# KiCad board Zynq_SoM.kicad_pcb (continued)
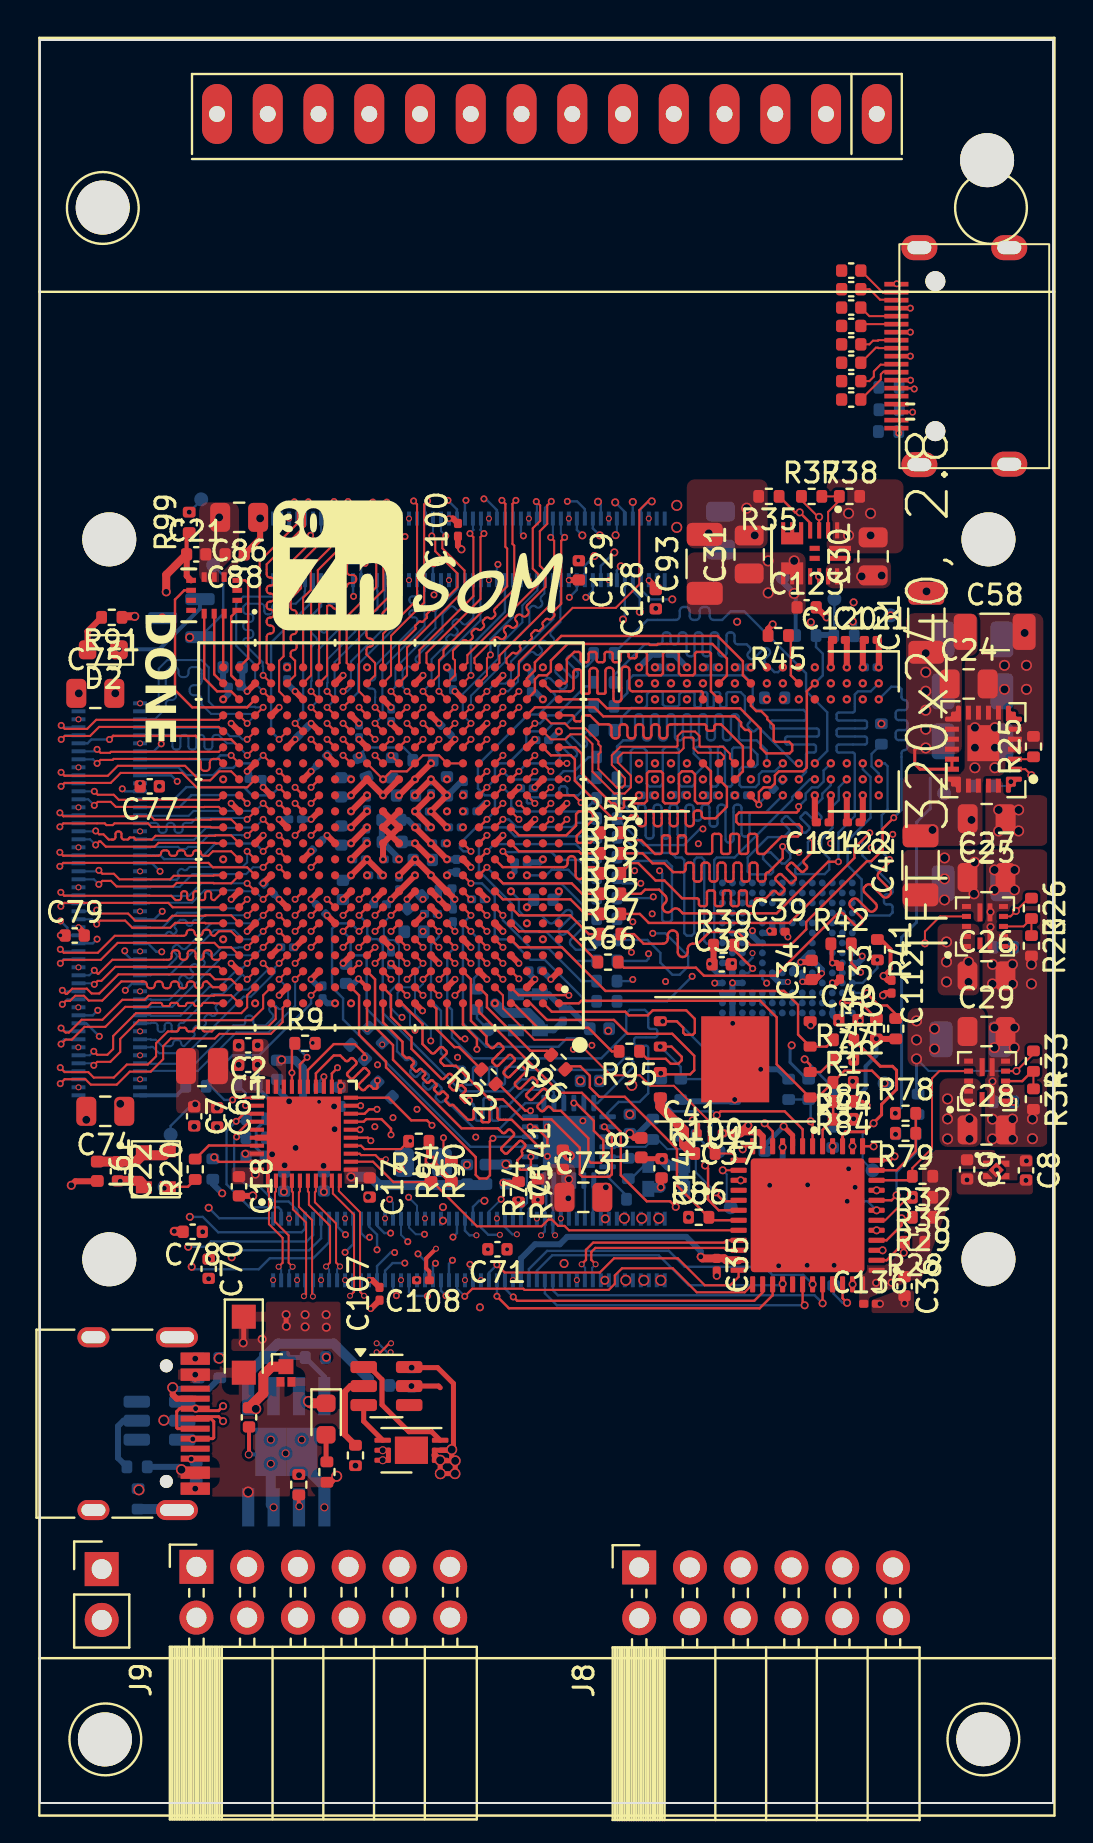
[diagram p0: board, top side]
## Routing (per net, layer and track width the routed paths; a pad name or vN(x,y) marks a point on that pad's centre or on a via; arc(x,y) is an arc through that point) (continued)
USB_ULPI_DATA4: length 17.6
  L1 (Sig) w0.12: v1(24.53,33.81) 24.81,33.81 25.4,33.22 25.4,32.95 25.23,32.78 25,32.78 23.61,34.16 23,34.16 arc(22.93,34.19) 22.9,34.26 22.9,34.68 arc(22.87,34.75) 22.8,34.78 22.6,34.78 arc(22.53,34.75) 22.5,34.68 22.5,34.1 arc(22.48,34.06) 22.44,34.04 22.16,34.04 arc(22.12,34.06) 22.1,34.1 22.1,34.64 arc(22.07,34.71) 22,34.74 21.8,34.74 arc(21.73,34.71) 21.7,34.64 21.7,34.26 arc(21.67,34.19) 21.6,34.16 21.42,34.16 20.68,34.9 arc(20.63,34.92) 20.59,34.9 arc(20.54,34.88) 20.49,34.9 20.3,35.09 arc(20.28,35.13) 20.3,35.18 20.4,35.28 arc(20.42,35.33) 20.4,35.38 20.22,35.56 arc(20.17,35.58) 20.12,35.56 20.02,35.46 arc(19.97,35.44) 19.92,35.46 19.74,35.65 arc(19.72,35.7) 19.74,35.75 19.84,35.85 arc(19.86,35.89) 19.84,35.94 19.65,36.13 arc(19.6,36.15) 19.55,36.13 19.45,36.03 arc(19.41,36.01) 19.36,36.03 19.17,36.22 arc(19.15,36.26) 19.17,36.31 19.27,36.41 arc(19.29,36.46) 19.27,36.51 19.08,36.69 arc(19.04,36.71) 18.99,36.69 18.89,36.6 arc(18.84,36.58) 18.79,36.6 18.61,36.78 arc(18.59,36.83) 18.61,36.88 18.7,36.98 arc(18.72,37.02) 18.7,37.07 18.51,37.26 arc(18.46,37.28) 18.42,37.26 arc(18.37,37.24) 18.32,37.26 18.14,37.44 18.14,38.06 17.17,39.04 U2.A12
USB_ULPI_DATA5: length 16.6
  L1 (Sig) w0.12: U2.B14 15.97,40.39 15.97,38.42 17.32,37.07 17.32,36.79 21.81,32.3 21.81,31.41 21.99,31.23 22.36,31.23 22.52,31.39 22.52,33.09 v1(22.67,33.24)
  L8 (Sig) w0.12: U5.10 22.74,33.31 v1(22.67,33.24)
USB_ULPI_DATA6: length 19
  L1 (Sig) w0.12: v1(15.97,43.59) U2.F13 16.36,43.99
  L8 (Sig) w0.12: v1(15.97,43.59) 15.57,43.99 14.89,43.99 14.62,43.72 14.62,40.79 15.17,40.24 15.17,39.19 21.54,32.81 U5.9
USB_ULPI_DATA7: length 18
  L1 (Sig) w0.12: v1(24.57,32.31) 24.57,31.81 24.42,31.66 24.04,31.66 23.89,31.81 23.89,32.14 24.13,32.38 24.13,32.53 arc(24.1,32.6) 24.13,32.67 24.27,32.81 arc(24.3,32.88) 24.27,32.95 24.13,33.09 arc(24.06,33.12) 23.99,33.09 23.39,32.5 arc(23.32,32.47) 23.25,32.5 23.11,32.64 arc(23.08,32.71) 23.11,32.78 23.7,33.37 arc(23.73,33.44) 23.7,33.51 23.56,33.66 arc(23.49,33.69) 23.42,33.66 23.28,33.52 arc(23.21,33.49) 23.14,33.52 22.92,33.74 21.09,33.74 17.67,37.16 17.67,37.9 16.77,38.8 16.77,41.19 U2.C13
USB_ULPI_DIR: length 25.9
  L1 (Sig) w0.12: U2.E8 v1(20.77,42.79)
  L8 (Sig) w0.12: v1(20.77,42.79) 20.38,42.4 20.38,39.9 20.62,39.66 20.62,38.28 21.66,37.24 28.09,37.24 29.34,38.49 29.34,39.49 29.51,39.66 30.27,39.66 30.44,39.49 30.44,38.81 arc(30.47,38.74) 30.54,38.71 30.79,38.71 arc(30.86,38.68) 30.89,38.6 30.89,38.39 arc(30.86,38.32) 30.79,38.29 29.84,38.29 arc(29.77,38.26) 29.74,38.18 29.74,37.97 arc(29.77,37.9) 29.84,37.87 30.33,37.87 arc(30.41,37.84) 30.44,37.76 30.44,35.49 30.01,35.06 28.96,35.06 28.41,34.5 U5.19
USB_ULPI_NXT: length 25.2
  L1 (Sig) w0.12: U2.F9 v1(19.97,43.59)
  L8 (Sig) w0.12: U5.18 27.91,35 29.69,36.79 29.69,37.06 29.49,37.26 29.27,37.26 28.66,36.66 24.07,36.66 23.92,36.81 23.37,36.81 arc(23.3,36.78) 23.27,36.71 23.27,36.01 arc(23.24,35.94) 23.17,35.91 22.97,35.91 arc(22.9,35.94) 22.87,36.01 22.87,36.71 arc(22.84,36.78) 22.77,36.81 22.57,36.81 arc(22.5,36.78) 22.47,36.71 22.47,36.01 arc(22.44,35.94) 22.37,35.91 22.17,35.91 arc(22.1,35.94) 22.07,36.01 22.07,36.71 arc(22.04,36.78) 21.97,36.81 21.77,36.81 arc(21.7,36.78) 21.67,36.71 21.67,36.01 arc(21.64,35.94) 21.57,35.91 21.37,35.91 arc(21.3,35.94) 21.27,36.01 21.27,36.71 arc(21.24,36.78) 21.17,36.81 20.74,36.81 20.07,37.49 20.07,39.61 19.57,40.11 19.57,42.92 19.97,43.32 v1(19.97,43.59)
USB_ULPI_STP: length 19.2
  L1 (Sig) w0.12: v1(28.24,33.81) 28.62,33.44 28.62,31.44 28.49,31.31 27.14,31.31 27.02,31.44 27.02,32.76 25.59,34.19 24.17,34.19 23.17,35.19 22.49,35.19 20.82,36.86 20.23,36.86 20.07,37.03 arc(20.03,37.11) 20.07,37.19 20.33,37.46 arc(20.36,37.54) 20.33,37.61 20.17,37.77 arc(20.09,37.81) 20.01,37.77 19.75,37.51 arc(19.67,37.48) 19.59,37.51 19.14,37.95 19.14,38.95 18.11,39.99 U2.A11
USB_VBUS: length 1.9
  L8 (Sig) w0.12: 27.27,29.23 27.27,31.08 U5.2
ZYNQ_BMODE_0: length 10.8
  L1 (Sig) w0.12: v4(33.87,34.39) 34.07,34.59 37.27,34.59 38.17,33.69 U9.19
  L8 (Sig) w0.1: TP10.1 33.62,32.94 33.62,34.14 v4(33.87,34.39)
  L8 (Sig) w0.12: v4(33.87,34.39) 33.67,34.59 31.66,34.59 R6.1
ZYNQ_BMODE_2: length 11
  L1 (Sig) w0.15: U9.15 40.17,33.41 40.32,33.56 41.27,33.56 41.69,33.99 v4(41.72,33.99) 41.72,34.01 42.12,34.41 42.12,34.94 42.87,35.69 42.87,36.64 42.67,36.84 42.05,36.84 R1.1
  L8 (Sig) w0.1: TP9.1 41.17,32.14 41.17,33.44 v4(41.72,33.99)
ZYNQ_PL_DONE: length 17.9
  L1 (Sig) w0.1: U2.T12 v1(16.77,52.39)
  L6 (Sig+Pwr) w0.12: v1(16.77,52.39) 16.41,52.75 14.1,52.75 13.49,52.14 12.18,52.14 11.14,53.18 11.14,54.04 7.49,57.68 v5(7.49,58.29)
  L8 (Sig) w0.12: TP3.1 9.17,61.39 9.17,59.46 Q3.2
ZYNQ_PL_INITB: length 16.8
  L1 (Sig) w0.1: U2.T14 v1(15.17,52.39)
  L4 (Sig+Pwr) w0.1: v1(15.17,52.39) 14.77,52.79 14.77,55.68 8.92,61.53 8.92,61.54 7.47,62.99 v4(7.47,64.55)
  L8 (Sig) w0.12: v4(7.47,64.55) 8.07,65.15 TP2.1
ZYNQ_PL_PROGB: length 59.1
  L1 (Sig) w0.1: U2.T11 v1(17.57,52.39)
  L4 (Sig+Pwr) w0.1: v1(17.57,52.39) 17.77,52.59 20.57,52.59 21.17,51.99 23.47,51.99 23.67,52.19 23.67,53.59 24.57,54.49 25.99,54.49 29.51,58.01 33.83,58.01 v4(34.89,59.07)
  L6 (Sig+Pwr) w0.1: v4(40.67,32.84) 40.24,33.26 40.24,38.41 40.52,38.69 40.52,42.44 43.97,45.89 43.97,50.69 43.37,51.29 43.37,58.59 v4(42.57,59.39) 42.37,59.59 39.77,59.59 39.44,59.92 35.74,59.92 v4(34.89,59.07)
ZYNQ_PS_MIO0: length 17.9
  L1 (Sig) w0.12: U2.G6 v1(22.37,44.39)
  L6 (Sig+Pwr) w0.12: v1(22.37,44.39) 21.97,43.99 21.97,42.58 22.16,42.39 22.53,42.39 22.77,42.15 22.77,40.95 22.37,40.55 22.37,39.64 23.37,38.64 23.37,32.96 22.24,31.84 v4(22.24,30.11)
  L8 (Sig) w0.12: v4(22.24,30.11) 21.97,30.11 21.67,29.81 21.67,29.23
ZYNQ_PS_MIO7/VM0: length 14.1
  L1 (Sig) w0.12: R75.2 23.95,30.09 23.94,30.09 ; U2.D5 v1(23.17,41.99)
  L4 (Sig+Pwr) w0.135: v1(23.94,30.16) 23.87,30.24 23.87,39.79 22.77,40.89 22.77,41.59 v1(23.17,41.99)
  L8 (Sig) w0.12: 23.67,29.23 23.67,29.89 v1(23.94,30.16)
ZYNQ_PS_MIO8\VM1: length 17.2
  L1 (Sig) w0.12: U2.E5 v1(23.17,42.79)
  L4 (Sig+Pwr) w0.12: v1(26.69,37.69) 25.92,36.91 25.92,31.16 v1(24.92,30.16)
  L6 (Sig+Pwr) w0.12: v1(26.69,37.69) 26.69,39.21 25.25,40.66 24.61,40.66 24.36,40.91 24.36,42.11 24.1,42.37 23.77,42.37 23.35,42.79 v1(23.17,42.79)
  L8 (Sig) w0.12: 24.47,29.23 24.47,29.71 v1(24.92,30.16)
ZYNQ_PS_MIO9: length 17.4
  L1 (Sig) w0.12: v1(23.97,41.21) 23.59,41.59 U2.C4
  L4 (Sig+Pwr) w0.135: v2(21.84,28.39) 21.84,29.16 22.34,29.66 24.12,29.66 24.44,29.99 24.44,30.76 24.97,31.29 24.97,40.21 v1(23.97,41.21)
  L8 (Sig) w0.12: 21.27,29.23 21.27,28.62 21.5,28.39 v2(21.84,28.39)
ZYNQ_PS_MIO10: length 28.6
  L1 (Sig) w0.12: U2.G7 v1(21.57,44.39)
  L4 (Sig+Pwr) w0.135: v1(27.62,37.89) 28.81,36.7 28.81,30.48 26.3,27.97 24.34,27.97 v2(23.87,28.44)
  L8 (Sig) w0.12: 23.27,29.23 23.27,28.81 23.64,28.44 v2(23.87,28.44) ; v1(21.57,44.39) 21.17,43.99 21.17,38.99 22.34,37.81 25.94,37.81 26.37,38.24 26.94,38.24 27.29,37.89 v1(27.62,37.89)
ZYNQ_PS_MIO11: length 20.8
  L1 (Sig) w0.12: U2.B4 23.96,40.4 26.46,40.4 v1(26.47,40.39)
  L4 (Sig+Pwr) w0.135: v2(23.02,28.41) 23.42,28.81 26.29,28.81 27.28,29.8 27.28,31.32 27.75,31.79 27.75,35.46 27.54,35.66 27.54,36.79 27.22,37.11 27.22,39.29 26.47,40.04 v1(26.47,40.39)
  L8 (Sig) w0.12: 22.07,29.23 22.07,28.78 22.43,28.41 v2(23.02,28.41)
ZYNQ_PS_MIO12: length 13.6
  L1 (Sig) w0.12: 22.77,41.57 23.15,41.19 v1(23.17,41.19)
  L6 (Sig+Pwr) w0.135: v1(23.17,41.19) 23.17,40.14 24.12,39.19 24.12,31.23 v1(23.08,30.19)
  L8 (Sig) w0.1: 22.47,29.23 22.47,29.58 v1(23.08,30.19)
ZYNQ_PS_MIO13: length 19.5
  L1 (Sig) w0.12: U2.A6 21.97,39.56 26.02,35.51 27.12,35.51 29.07,33.56 29.07,31.39 30.37,30.09 31.54,30.09 v4(31.82,29.81)
  L6 (Sig+Pwr) w0.12: v4(31.82,29.81) 31.82,29.81 33.94,29.81 35.07,30.94 v4(35.07,31.14)
ZYNQ_PS_POR: length 16.9
  L1 (Sig) w0.1: U2.B5 23.17,40.39 23.17,39.74 24.74,38.16 26.79,38.16 28.57,36.39 30.02,36.39 30.54,35.86 31.72,35.86 33.47,34.12 33.47,32.8 R100.2 34.65,32.48 34.96,32.16 U9.25
ZYNQ_PS_SRST: length 30.9
  L1 (Sig) w0.1: R94.2 20.19,32.49 v1(20.19,33.26) ; v4(34.17,31.64) U9.26
  L1 (Sig) w0.12: U2.C9 v1(19.17,41.19)
  L4 (Sig+Pwr) w0.1: v1(19.56,38.11) 19.56,36.83 20.08,36.31 20.08,33.38 v1(20.19,33.26)
  L6 (Sig+Pwr) w0.1: v4(34.17,31.64) 34.07,31.54 33.61,31.54 33.46,31.39 27.84,31.39 27.24,30.79 26.29,30.79 25.1,29.6 21.81,29.6 21.37,30.04 21.37,30.96 20.19,32.14 v1(20.19,33.26)
  L8 (Sig) w0.1: TP5.1 34.37,29.99 34.37,31.44 v4(34.17,31.64) ; v1(19.56,38.11) 19.56,38.67 18.77,39.46 18.77,40.56 19.17,40.96 v1(19.17,41.19)
ZYNQ_TCK: length 18.7
  L1 (Sig) w0.12: U2.G11 v1(17.57,44.39)
  L4 (Sig+Pwr) w0.1: v1(18.45,30.29) 18.87,30.71 18.87,32.18 19.49,32.8 19.49,33.37 19.12,33.74 19.12,34.17 19.36,34.41 19.36,36.35 19.12,36.59 19.12,39.09 18.92,39.29 v1(18.12,39.29)
  L8 (Sig) w0.1: 18.87,29.23 18.87,29.87 v1(18.45,30.29) ; v1(18.12,39.29) 18.02,39.29 17.53,39.78 17.53,40.59 17.97,41.03 17.97,42.9 17.72,43.15 17.46,43.15 17.21,43.4 17.21,44.03 v1(17.57,44.39)
ZYNQ_TDI: length 23.9
  L1 (Sig) w0.12: U2.H13 v1(15.97,45.19)
  L6 (Sig+Pwr) w0.1: v1(15.97,45.19) 15.53,44.75 14.95,44.75 14.74,44.54 14.74,44.25 13.92,43.43 13.92,42.22 13.16,41.46 13.16,40.9 10.42,38.16 10.42,35.58 10.97,35.03 10.97,33.89 13.67,31.19 14.63,31.19 15.03,30.79 17.06,30.79 17.5,30.35 v1(17.5,30.19)
  L8 (Sig) w0.1: 17.67,29.23 17.67,30.02 v1(17.5,30.19)
ZYNQ_TDO: length 25.1
  L1 (Sig) w0.12: U2.G14 v1(15.17,44.39)
  L6 (Sig+Pwr) w0.1: v1(15.17,44.39) 15.17,44.16 14.62,43.61 14.62,40.91 13.5,39.79 12.99,39.79 11.31,38.1 11.31,35.53 15.12,31.72 17,31.72 17.76,30.96 18.66,30.96 18.97,30.65 18.97,29.94 18.65,29.62 18.65,28.31 v1(18.41,28.07)
  L8 (Sig) w0.1: 18.07,29.23 18.07,28.41 v1(18.41,28.07)
ZYNQ_TMS: length 25.6
  L1 (Sig) w0.12: v1(16.77,44.39) U2.G12
  L6 (Sig+Pwr) w0.1: v1(19.24,28.44) 19.62,28.81 19.62,31.16 18.14,32.64 15.08,32.64 13.12,34.6 13.12,35.24 11.65,36.71 11.65,37.39 15.54,41.28 15.54,43.68 15.87,44.01 16.1,44.01 16.48,44.39 v1(16.77,44.39)
  L8 (Sig) w0.1: v1(19.24,28.44) 18.81,28.44 18.47,28.78 18.47,29.23
Net-(D1-A): length 3.5
  L1 (Sig) w0.135: v6(7.77,21.42) 7.77,21.12
  L1 (Sig) w0.3: R106.1 14.55,16.04 v3(14.85,16.34)
  L8 (Sig) w0.3: v3(10.42,15.55) 10.42,15.55 U15.4 ; v3(7.08,16.67) 6.94,16.81 R105.1
Net-(J5-CC1): length 4.2
  L1 (Sig) w0.3: J5.A5 6.84,20.22 6.64,20.42 v3(6.64,20.77)
  L8 (Sig) w0.3: v3(6.64,20.77) 6.71,20.7 8.44,20.7 R102.2
Net-(J5-CC2): length 0.3
  L8 (Sig) w0.15: v4(7.57,17.2) 7.69,17.08 R103.2
Net-(J5-SHIELD): length 2
  L8 (Sig) w0.5: R101.2 6.81,14.7 6.86,14.65
Net-(J6-CEC): length 1.7
  L1 (Sig) w0.1: v1(43.75,70.71) 43.71,70.75 J6.14
  L8 (Sig) w0.1: R112.1 43.08,70.71 v1(43.75,70.71)
Net-(J6-HPD): length 0.3
  L1 (Sig) w0.1: v1(42.98,68.5) 42.86,68.62 J6.19
Net-(J6-UTILITY): length 1.5
  L1 (Sig) w0.1: J6.17 v1(43.67,69.55)
  L8 (Sig) w0.1: v1(43.67,69.55) 43.13,69.55 R113.1
Net-(J7-Pin_2): length 10.8
  L1 (Sig) w0.25: v3(20.78,17.11) 20.78,16.48 v3(20.77,16.47) v3(20.04,16.47) 20.03,16.48 v3(20.03,17.14) 20.06,17.11 v3(20.78,17.11) ; v3(20.78,17.11) 20.61,17.28 v3(20.61,17.67) 20.57,17.64 Q1.1 20.44,17.64 20.69,17.89 20.69,20.98 19.9,21.77 v5(18.6,21.77) 18.57,21.8 U16.6
  L1 (Sig) w0.3: v3(20.03,17.14) 19.78,17.39 Q1.1
Net-(LED1-A): length 1.4
  L1 (Sig) w0.25: R106.2 14.32,17.1 LED1.2
Net-(LED1-K): length 1.5
  L1 (Sig) w0.5: LED1.1 13.53,19.99 v3(13.44,20.08)
  L8 (Sig) w0.5: U15.7 13.23,20.08 v3(13.44,20.08)
Net-(U3-RSET): length 2.2
  L1 (Sig) w0.12: v4(8.72,32.29) 8.95,32.06 10.85,32.06 U3.39
Net-(U4-FB): length 2.4
  L1 (Sig) w0.1: U4.5 49.22,43.83 R26.2 R23.1
Net-(U6-FB): length 2.5
  L1 (Sig) w0.1: R34.1 R33.2
  L1 (Sig) w0.12: R33.2 49.65,36.59 49.16,36.1 U6.5
Net-(U9-VREF+): length 2.8
  L1 (Sig) w0.25: U9.20 37.67,33.39 v4(37.22,33.84)
  L8 (Sig) w0.25: C139.1 36.27,32.89 v4(37.22,33.84)
Net-(U10-FB): length 2.8
  L1 (Sig) w0.1: R37.2 R38.1 40,65.12 39.44,64.56 U10.2
Net-(U12-VP): length 3.3
  L8 (Sig) w0.3: U12.5 4.18,19.12 3.9,18.84 3.9,17.26 R105.2
Net-(U15-CE): length 3.4
  L8 (Sig) w0.25: R110.2 R108.1 14.23,21.32 U15.8
Net-(U15-PROG): length 0.6
  L1 (Sig) w0.2: v6(12.98,14.84) 12.95,14.87 R109.1
Net-(U16-CS): length 4
  L1 (Sig) w0.3: U16.2 15.54,20.85 15.26,20.57 15.26,18.42 R111.2
Net-(U16-OC): length 2.2
  L1 (Sig) w0.25: U16.3 16.2,19.09 Q1.5
Net-(U16-OD): length 6.1
  L1 (Sig) w0.25: U16.1 16.49,21.8 17.12,21.17 17.12,19.91 18.46,18.57 19.6,18.57 Q1.2
Net-(U16-VCC): length 2.7
  L1 (Sig) w0.25: U16.5 19.95,20.85 20.03,20.77
  L8 (Sig) w0.25: C115.2 18.6,20.84 v5(18.59,20.85)
  L8 (Sig) w0.3: R107.1 18.56,20.88 v5(18.59,20.85)
unconnected-(U2C-IO_L19N_T3_VREF_13-PadT6): length 0
unconnected-(U2C-IO_L20N_T3_13-PadU4): length 0
unconnected-(U2C-IO_L20P_T3_13-PadT4): length 0
  L1 (Sig) w0.1: U2.T4 23.57,52.01
unconnected-(U2C-IO_L22N_T3_13-PadU5): length 0
unconnected-(U2D-IO_L13N_T2_MRCC_33-PadW18): length 0
unconnected-(U9-PB7-Pad45): length 0
  L1 (Sig) w0.12: U9.45 39.67,25.94

## Copper pours and planes (outline as drawn; the poured copper is in the pictures)
+1V0 on L1 (Sig): 46.14,52.45 46.14,57.36 46.93,57.36 46.93,59.5 43.34,59.5 43.34,52.45
+1V0 on L8 (Sig): 43.67,49.89 45.97,49.89 45.97,59.19 43.67,59.19
+1V0 on L3 (Pwr): 39.57,46.19 41.47,48.09 45.02,48.09 45.02,57.79 28.97,57.79 23.37,52.89 15.05,52.88 15.05,46.18 23.02,46.19 23.32,46.69 24.67,46.69 24.97,46.19
+1V0 on L6 (Sig+Pwr): 17.07,44.79 20.57,44.79 20.57,51.99 20.07,52.49 18.67,52.49 18.27,52.09 14.37,52.09 13.87,51.59 13.87,45.49 16.37,45.49
+1V8 on L1 (Sig): 43.17,44.56 46.72,44.56 46.72,44.04 47.22,44.04 47.22,47.69 43.17,47.69
+1V8 on L8 (Sig): 27.99,33.06 29.82,33.06 29.82,33.79 29.24,33.79 28.92,33.51 27.99,33.51
+1V8 on L8 (Sig): 44.57,44.63 47.28,44.63 47.28,47.83 44.57,47.83
+1V8 on L8 (Sig): 20.77,31.29 20.77,32.69 16.67,36.79 16.97,37.09 15.57,38.49 14.77,37.69 15.47,36.99 15.47,33.49 13.47,33.49 13.47,32.39 19.07,32.39 19.07,31.29
+1V8 on L8 (Sig): 27.47,34.59 27.47,36.41 26.74,36.41 26.74,35.81 27.02,35.49 27.02,34.59
+1V8 on L8 (Sig): 20.57,30.02 19.57,30.02 19.57,28.79 20.57,28.79
+1V8 on L3 (Pwr): 22.21,45.99 20.76,47.69 20.07,47.69 20.07,49.01 19.24,49.01 18.72,48.84 18.39,48.39 17.49,47.49 17.47,46.84 17.47,45.99
+1V8 on L3 (Pwr): 50.57,24.19 50.47,47.99 14.57,47.99 14.57,38.69 0.47,38.69 0.47,24.19
+1V8 on L4 (Sig+Pwr): 20.92,45.89 20.92,52.24 15.87,52.24 15.87,45.89
+1V8 on L6 (Sig+Pwr): 30.27,33.09 30.27,37.09 25.77,37.09 25.77,34.89 27.57,33.09
+1V35 on L1 (Sig): 32.37,62.54 32.37,59.44 38.32,59.44 38.32,62.54
+1V35 on L4 (Sig+Pwr): 41.12,46.69 42.52,48.11 42.52,60.39 40.27,60.39 40.27,66.19 35.27,66.19 35.27,58.99 33.77,57.59 29.67,57.59 25.67,53.79 24.47,53.79 23.97,53.29 23.97,52.29 23.27,51.59 21.52,51.59 21.52,48.54 21.37,48.24 21.37,46.54 22.89,46.54 23.27,46.16 24.59,46.16 25.07,46.74
+1V35 on L6 (Sig+Pwr): 25.84,42.79 26.24,43.19 26.24,46.19 24.27,46.19 22.97,47.49 22.97,50.19 21.57,50.19 21.57,47.29 21.37,46.89 21.37,46.41 21.47,46.29 21.79,46.29 22.68,45.31 22.68,43.81 23.09,43.39 24.07,43.39 24.07,44.29 24.67,44.29 24.67,43.19 25.07,42.79
+3V3 on L1 (Sig): 43.42,36.83 46.82,36.83 46.82,36.31 47.32,36.31 47.32,39.76 43.42,39.76
+3V3 on L1 (Sig): 11.57,35.45 11.57,36.29 10.62,36.5 10.62,38.21 11.44,38.21 11.44,36.99 11.94,36.53 11.94,35.45
+3V3 on L1 (Sig): 26.79,29.56 26.79,31.96 25.54,31.96 25.16,31.47 24.6,31.47 24.6,30.92 25.16,30.92 25.54,30.63 25.54,29.56
+3V3 on L8 (Sig): 26.59,25.79 26.59,27.24 25.82,27.24 25.82,25.79
+3V3 on L8 (Sig): 27.04,28.86 27.04,31.69 25.97,31.69 25.97,29.31 26.37,29.31 26.37,28.86
+3V3 on L8 (Sig): 43.57,35.99 47.17,35.99 47.17,39.49 43.57,39.49
+3V3 on L3 (Pwr): 45.07,35.59 43.87,35.59 37.37,29.79 28.07,29.74 28.07,24.19 21.77,24.19 21.77,29.89 22.97,31.09 22.97,39.09 22.12,39.94 22.12,41.79 24.37,41.79 27.67,39.19 28.32,39.19 29.07,38.44 29.07,35.44 32.62,35.44 33.57,37.09 37.37,37.09 38.27,37.94 41.97,37.94 43.37,39.39 45.07,39.39
+3V3 on L4 (Sig+Pwr): 38.97,42.19 38.97,42.79 37.67,44.09 36.17,44.09 36.17,41.89 36.68,41.09 36.68,37.09 37.97,35.79 40.97,35.79 41.27,36.69 44.27,36.69 44.27,39.89 40.07,39.89 40.07,41.09
+3V3_SC on L1 (Sig): 47.42,31.71 47.79,32.08 47.79,32.66 44.14,32.66 44.14,29.81 43.72,29.21 42.72,27.76 40.99,27.76 40.99,24.76 41.49,24.76 41.49,25.26 43.64,26.14 44.09,26.14 45.64,30.42 45.64,31.71
+3V3_SC on L8 (Sig): 42.87,25.69 41.62,25.69 40.02,27.29 36.57,27.29 36.37,27.09 32.87,27.09 32.87,28.39 33.47,28.39 34.57,29.49 34.57,33.24 35.22,34.11 35.82,34.11 35.82,31.04 36.37,30.49 38.84,30.49 38.84,31.24 40.02,31.24 40.02,29.74 40.42,29.74 40.42,28.94 42.87,26.49
+VCCO_13 on L8 (Sig): 31.17,65.24 31.17,63.74 30.77,61.64 30.77,60.79 31.62,60.79 31.62,61.59 32.87,64.04 34.78,64.04 34.78,65.24
+VCCO_13 on L3 (Pwr): 34.57,52.96 34.57,66.16 15.77,66.19 15.74,52.96
+VCCO_33 on L1 (Sig): 9.09,61.06 9.09,61.54 9.94,62.39 9.94,62.56 10.47,62.56 10.47,62.24 10.19,62.24 9.34,61.39 9.34,61.06
+VCCO_33 on L8 (Sig): 11.84,60.79 11.84,61.64 12.17,63.74 12.17,64.59 10.62,64.59 10.62,60.79
+VCCO_33 on L3 (Pwr): 5.57,56.39 5.57,54.09 6.87,52.99 11.39,52.99 11.72,52.54 13.19,52.54 13.47,52.99 17.29,52.99 17.29,55.09 18.17,55.96 18.17,60.29 21.67,62.79 21.67,64.19 22.37,64.89 22.37,66.19 0.47,66.19 0.47,56.39
+VCCO_34 on L3 (Pwr): 8.47,41.94 15.07,46.09 15.05,52.88 13.57,52.89 13.27,52.39 11.67,52.39 11.27,52.89 6.77,52.89 5.47,54.09 5.47,56.49 0.47,56.49 0.47,41.94
+VCCO_35 on L8 (Sig): 1.58,35.49 2.44,35.49 4.54,35.89 5.39,35.89 5.39,34.61 1.58,34.61
+VCCO_35 on L3 (Pwr): 9.87,26.59 9.87,36.24 14.57,36.24 14.57,46.09 10.17,46.09 6.27,42.19 0.47,42.19 0.47,31.29 2.17,31.29 2.17,26.59
/Ethernet PHY/1V0_ETH on L1 (Sig): 6.82,37.74 6.82,34.49 8.92,34.49 8.92,35.09 8.52,35.09 7.92,35.79 7.97,37.74
/Ethernet PHY/1V0_ETH on L3 (Pwr): 7.47,34.09 7.47,36.19 15.32,36.19 15.32,32.99 14.42,30.34 11.97,30.34 11.37,31.83 9.97,31.83 9.02,34.09
/Ethernet PHY/3V3A_ETH on L1 (Sig): 9.59,31.79 11.22,31.79 11.22,30.94 9.59,30.94
/Ethernet PHY/3V3A_ETH on L1 (Sig): 15.19,31.81 16.82,31.81 16.82,30.96 15.19,30.96
/Ethernet PHY/3V3A_ETH on L3 (Pwr): 15.87,29.74 15.87,31.69 9.92,31.69 9.92,29.74
/Zynq Power/VCCPLL on L8 (Sig): 18.74,43.24 18.74,44.94 18.29,45.59 18.29,45.91 17.74,45.91 17.74,45.44 17.94,45.14 17.94,43.24
GND on L1 (Sig): 36.42,66.19 32.37,66.19 32.37,62.74 36.42,62.74
GND on L1 (Sig): 42.94,25.64 41.61,25.14 41.61,24.5 43.75,24.5 43.74,25.64
GND on L1 (Sig): 49.69,32.13 45.87,32.13 45.87,30.43 49.69,30.43
GND on L1 (Sig): 47.17,51.35 48.32,51.35 48.32,52.5 50.22,52.5 50.22,59.5 46.29,59.5 46.28,51.46 43.18,51.46 43.18,47.86 47.17,47.86
GND on L1 (Sig): 47.32,39.96 47.29,32.81 50.47,32.81 50.47,39.96
GND on L1 (Sig): 43.22,66.19 39.37,66.19 39.37,62.49 43.22,62.49
GND on L1 (Sig): 47.17,47.69 47.17,39.66 50.47,39.66 50.47,47.69
GND on L1 (Sig): 7.97,65.04 7.97,61.03 9.07,61.03 9.97,61.99 9.96,65.04
GND on L8 (Sig): 52.07,30.79 51.97,59.19 43.67,59.19 43.67,30.78
GND on L8 (Sig): 28.62,31.04 27.92,31.04 27.92,28.83 28.62,28.83
GND on L2 (Gnd), L5 (Gnd), L7 (Gnd): 50.46,0.14 50.46,87.55 0.46,87.55 0.46,0.14
GND on L4 (Sig+Pwr): 35.02,66.19 35.02,59.49 34.57,59.49 33.57,58.29 29.97,58.29 29.97,58.89 30.57,59.39 31.17,59.39 31.57,59.79 32.07,59.79 32.07,60.29 31.57,60.59 29.37,60.59 29.37,62.39 28.97,62.79 27.97,62.79 27.17,64.04 24.57,64.04 23.97,63.39 21.37,63.39 21.37,63.79 22.77,64.99 22.77,65.49 21.77,65.49 19.82,63.19 17.87,63.19 16.77,62.19 16.77,57.04 15.57,55.84 14.07,55.84 14.07,51.39 3.77,51.39 3.77,50.29 5.62,48.39 8.47,48.39 6.17,45.99 2.82,45.99 2.47,45.59 0.87,45.59 0.87,43.39 1.57,44.09 2.57,44.09 2.57,43.29 2.97,42.89 2.97,28.49 4.57,26.59 10.17,26.49 10.17,27.79 8.97,28.79 8.97,31.79 7.57,33.18 7.57,36.24 10.17,38.79 13.27,38.79 14.67,40.19 15.12,40.19 15.12,35.64 15.02,35.29 15.02,32.99 13.77,32.99 14.77,32.19 17.57,25.19 20.17,25.19 21.57,26.59 21.57,27.79 28.77,27.79 28.77,24.19 0.37,24.19 -0.03,65.99
GND on L6 (Sig+Pwr): 40.17,34.29 40.17,39.19 38.37,39.19 38.07,38.69 38.07,36.79 30.47,36.79 30.47,32.99 32.27,32.99 33.47,32.09 35.17,32.09 35.17,34.29
GND on L6 (Sig+Pwr): 50.47,24.19 50.47,31.69 48.87,31.69 48.87,30.79 47.37,29.29 47.07,29.29 44.87,27.09 41.17,27.09 41.17,24.19
GND on L6 (Sig+Pwr): 0.37,66.19 17.77,66.19 17.77,64.59 11.37,61.09 11.37,56.19 6.07,49.89 4.77,49.89 2.07,47.19 2.07,39.39 2.57,38.09 3.97,38.09 4.87,38.99 5.17,38.89 5.17,32.29 10.17,26.99 19.27,26.99 19.27,24.19 0.37,24.19
GND on L6 (Sig+Pwr): 50.37,66.19 50.37,51.09 47.27,51.09 47.27,58.79 44.27,61.79 37.97,61.79 37.97,60.39 35.57,60.39 33.77,58.49 30.47,58.49 30.47,66.19
VBAT on L8 (Sig): 8.01,13.64 8.04,20.79 10.9,20.88 10.9,17.72 9.87,17.66 9.86,12.18 6.74,12.11 6.76,10.78 1.71,10.51 1.66,13.69
VIN on L1 (Sig): 50.48,50.4 48.22,50.4 48.22,51.23 47.32,51.23 47.32,47.86 50.48,47.86
VIN on L1 (Sig): 40.62,62.24 40.62,62.04 39.32,62.04 39.32,60.74 42.59,60.74 42.59,62.24
VIN on L1 (Sig): 45.02,32.81 47.12,32.81 47.12,36.23 45.02,36.23
VIN on L1 (Sig): 12.31,20.56 12.33,22.6 9.58,22.6 9.59,25.07 15.04,25.07 15.06,20.56
VIN on L1 (Sig): 49.69,32.46 47.87,32.46 47.89,31.13 49.69,31.13
VIN on L1 (Sig): 44.92,40.39 47.02,40.39 47.02,43.96 44.92,43.96
VIN on L8 (Sig): 31.38,29.64 28.73,29.64 28.73,28.83 31.38,28.83
VIN on L8 (Sig): 31.38,26.55 28.73,26.55 28.73,25.74 31.38,25.74
VIN on L3 (Pwr): 50.47,43.39 50.47,21.49 9.08,21.88 9.1,24.14 28.07,24.19 28.27,29.79 36.37,29.79 36.37,36.39 44.77,36.39 44.77,43.39
VIN on L3 (Pwr): 50.47,48.09 50.47,66.19 34.77,66.19 34.77,48.09
VIN on L4 (Sig+Pwr): 40.57,60.59 40.57,66.27 -0.02,66.2 -0.08,88.19 50.47,88.27 50.47,24.19 28.77,24.19 28.77,35.79 41.17,35.79 41.47,36.59 42.82,36.59 42.77,60.59
/Ethernet PHY/ETH_REG_OUT on L1 (Sig): 11.49,35.51 11.49,36.18 9.44,36.51 9.44,37.76 8.39,37.76 8.39,35.99 8.87,35.51
Net-(D1-A) on L1 (Sig): 15.06,20.56 12.31,20.56 12.33,22.6 6.91,22.61 6.89,15.31 15.07,15.34
Net-(J5-SHIELD) on L8 (Sig): 8.13,24.35 -0.4,24.27 -0.44,13.73 8.01,13.64 8.01,15.29 3.82,15.39 3.86,20.72 7.34,20.72 7.34,22.67 8.12,22.69
Net-(J7-Pin_2) on L3 (Pwr): 1.7,7.76 1.81,14.19 19.17,14.19 19.14,18.02 21.25,17.96 21.25,12.46 6.57,12.48 6.56,7.76

Small or netless copper shapes (teardrops, artwork), in the pictures only: 8 on L1 (Sig), 5 on L8 (Sig)

## Text on the board
B.Silkscreen: JLCJLCJLCJLC
User.Eco2: SIGNAL | X (mm) | Y (mm) | TP1 / TP3 / TP16 / TP15 / TP8 / TP5 / TP9 / TP14 / TP6 / TP7 / TP2 / TP12 / TP13 / TP10 / TP4 / TP11 | ZYNQ_PL_PROGB / ZYNQ_PL_DONE / +0V675_REF / +1V35 / QSPI_D1/BM1 / ZYNQ_PS_SRST / ZYNQ_BMODE_2 / +1V0 / QSPI_~{CS} / QSPI_D0/BM3 / ZYNQ_PL_INITB / CLK_25MHz / 1V0_ETH / ZYNQ_BMODE_0 / PS_CLK_33MHz / QSPI_CLK | 7.9 / 41.8 / 10.71 / 13.3 / 10.65 / 15.9 / 8.8 / 5.22 / 8.2 / 14.35 / 42.4 / 44.23 / 43.93 / 16.5 / 28.05 / 16.95 | 6.8 / 4.3 / 5.98 / 4.9 / 30.7 / 36.4 / 34.55 / 15.7 / 30.2 / 30.6 / 1 / 35.38 / 32.77 / 33.6 / 27.5 / 30.3
F.Silkscreen: DONE
FAB: Microstrip | Stripline | L4 (L6) | L1 (L8) | 52.7 | 100 | 50 | 90 | Prepreg | Core | B.Silkscreen | B.Paste | B.Mask | 0.1146 | 0.135 | 0.120 | 0.104 | 0.102 | 0.1 | 0.0764 mm | 0.1528 mm | 0.250 | 0.125 | 0.15 | 0.2 mm | 0.2 | L3,L5 (L5,L7) | L2 (L7) | Solder Resist | 1080 RC67% | FR-4 | Solder Mask | Paste Mask | Dielectric | Legend | GBS | GBO | GBP | Material | Layer | Thickness | Epsilon | 3.91 | 4.36 | Type | Gerber | Dielectric / Material | Copper | Layers | Impedance (Ohm) | L4 (Sig+Pwr) | L6 (Sig+Pwr) | Width (mm) | L1 (Sig) | L2 (GND) | L3 (PWR) | L5 (GND) | L7 (GND) | L8 (Sig) | 0.0152mm (0.5oz) | 0.152mm (0.5oz) | Spacing (mm) | 0.035mm (1oz) | Ref. Layers | Internal Plane | Signal | Plane | GTP | GTO | GTS | GTL | GBL | G2 | G3 | G4 | G5 | G6 | G7 | Copper Layer Count: | Board overall dimensions: | Min track/spacing: | Copper Finish: | Castellated pads: | Edge card connectors: | 8 | 50,0000 mm x 42,0000 mm | 0,0900 mm / 0,0900 mm | ENIG | No | Board Thickness: | Min hole diameter: | Impedance Control: | Plated Board Edge: | 1,2396 mm | 0,2000 mm | Yes | BOARD CHARACTERISTICS | Impedance specification | Layer Stack Legend
User.8: TP?? / TP?? / TP?? / TP?? | ?? / ?? / ?? / ?? | Ref. | Net | X [mm] | Y [mm]
